# Altium PCB UHF Transceiver PCB.PcbDoc (part 3 of 5) (continued)
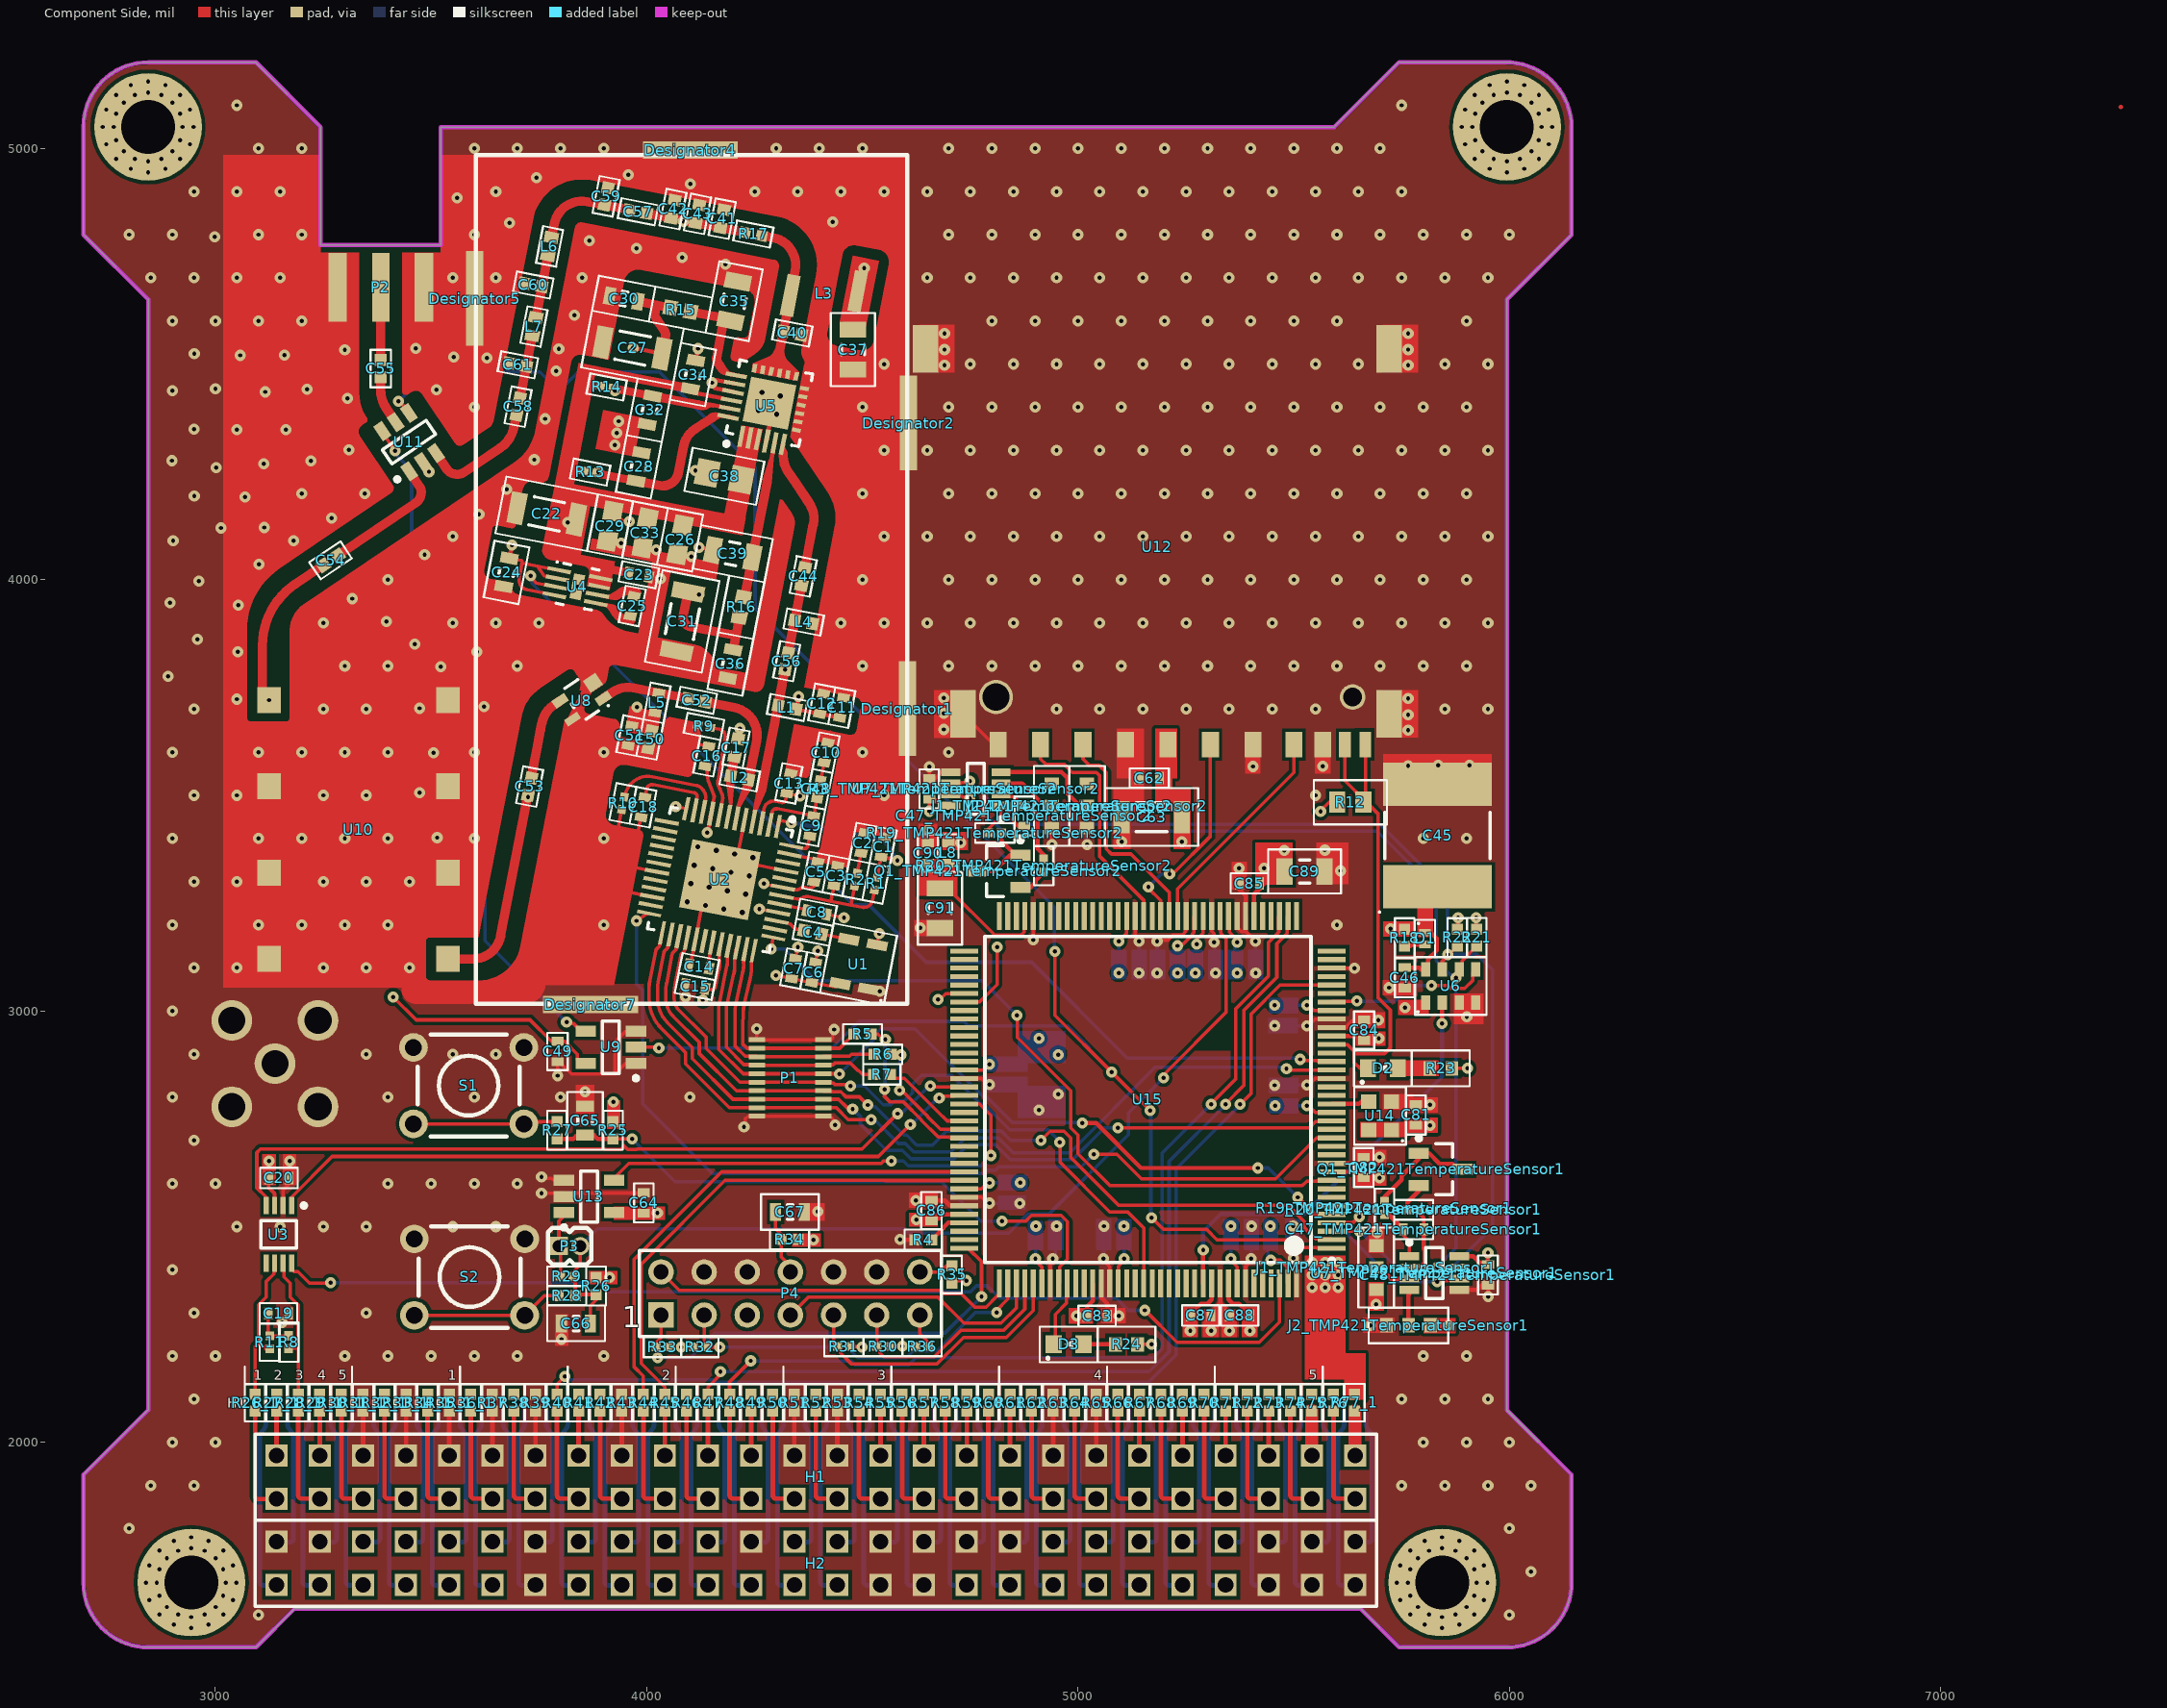
[diagram p0: Component Side view]
## Nets (pads, with @x,y where several pads share a name; then routed paths per layer and width w, separated by ;. In a path a pad name is that pad's centre, name@x,y a point inside that pad or via, vN(x,y) a via of type N, cw(c..) or ccw(c..) an arc to the next point about the centre after c; other vN are vias at no path point) (continued)
  other v1: 3100,1600 6000,1600 6050,1700 2800,1800 6000,1800 2850,1900 2950,1900 5750,1900 5850,1900 5950,1900 6050,1900 2900,2000 3000,2000 5800,2000 5900,2000 6000,2000 2950,2100 5750,2100 5850,2100 5950,2100 2900,2200 3000,2200 3300,2200 3400,2200 3500,2200 3600,2200 3700,2200 3900,2200 5800,2200 5900,2200 2950,2300 3350,2300 2900,2400 3050,2500 3150,2500 3250,2500 3350,2500 3550,2500 3650,2500 4950,2501 2900,2600 3000,2600 3400,2600 3500,2600 3600,2600 3700,2600 3172.09,2651.74 2950,2700 4225.28,2731.01 2900,2800 3400,2800 3600,2800 3800,2800 4100,2800 2950,2900 3350,2900 3550,2900 3650,2900 5901,2987 2900,3000 5141.3,3088 5183.05,3088 5318.3,3088 2950,3100 3050,3100 3250,3100 3350,3100 3450,3100 2900,3200 3100,3200 3200,3200 3300,3200 3400,3200 3900,3200 5600,3200 2950,3300 3050,3300 3250,3300 3350,3300 3450,3300 5373.19,3331 2900,3400 3100,3400 3200,3400 3300,3400 3400,3400 3600,3400 3900,3400 5800,3400 5900,3400 3514,3402 2950,3500 3050,3500 3250,3500 3350,3500 4550,3500 5550,3500 3473,3506.13 5567.4,3567.29 5765,3569 5834.54,3570.1 5907,3570.1 3506,3599 2900,3600 3100,3600 3200,3600 3300,3600 3400,3600 3600,3600 3900,3600 4500,3600 4700,3600 5765,3651 4688.81,3652.79 5765,3687 4688.81,3690.09 2950,3700 3250,3700 3350,3700 4950,3700 5050,3700 5150,3700 5250,3700 5350,3700 5450,3700 5550,3700 5850,3700 5950,3700 3473,3701.87 3622.74,3706 3050,3723 5765,3724.3 4688.81,3726.09 2890,3776 3522,3798 3300,3800 3400,3800 3700,3800 4500,3800 4700,3800 4800,3800 4900,3800 5000,3800 5100,3800 5200,3800 5300,3800 5400,3800 5500,3800 5600,3800 5700,3800 5800,3800 5900,3800 3052,3833 3606,3833 3462,3851 2958,3862 3250,3900 3550,3900 3650,3900 3750,3900 4450,3900 4550,3900 4650,3900 4750,3900 4850,3900 4950,3900 5050,3900 5150,3900 5250,3900 5350,3900 5450,3900 5550,3900 5650,3900 5750,3900 5850,3900 5950,3900 3396,3903 3053,3941.2 2895,3947 3317,3956 3839.4,3983.83 2962,3997 3400,4000 4500,4000 4700,4000 4800,4000 4900,4000 5000,4000 5100,4000 5200,4000 5300,4000 5400,4000 5500,4000 5600,4000 5700,4000 5800,4000 5900,4000 4032,4002 3101,4035.97 3485,4058 2902,4090.39 3181.02,4090.39 3550,4100 4550,4100 4650,4100 4750,4100 4850,4100 4950,4100 5050,4100 5150,4100 5250,4100 5350,4100 5450,4100 5550,4100 5650,4100 5750,4100 5850,4100 5950,4100 3013,4119.95 3113,4121 3269,4143 3611,4152 3069,4192 2951,4194 3200,4200 3346,4200 4500,4200 4700,4200 4800,4200 4900,4200 5000,4200 5100,4200 5200,4200 5300,4200 5400,4200 5500,4200 5600,4200 5700,4200 5800,4200 5900,4200 3675,4210 3002,4260 3112,4269 3221,4275 2899,4276 3739.15,4278.25 4550,4300 4650,4300 4750,4300 4850,4300 4950,4300 5050,4300 5150,4300 5250,4300 5350,4300 5450,4300 5550,4300 5650,4300 5750,4300 5850,4300 5950,4300 3309,4301 3925.72,4312 3930.28,4340 3050,4348 3163.71,4348.24 2950,4349 3935,4367.38 3764,4373.09 3600,4400 4500,4400 4700,4400 4800,4400 4900,4400 5000,4400 5100,4400 5200,4400 5300,4400 5400,4400 5500,4400 5600,4400 5700,4400 5800,4400 5900,4400 3306,4420 3115,4435.46 2900.55,4438.35 3512,4440 3212,4442 3000,4443 3790,4484 4690.2,4497.46 5765,4497.46 4550,4500 4750,4500 4850,4500 4950,4500 5050,4500 5150,4500 5250,4500 5350,4500 5450,4500 5550,4500 5650,4500 5850,4500 5950,4500 3629,4514.34 3552,4516 3057,4520.18 3160,4521 2951,4523.93 3300,4533 4690.2,4533.46 5765,4533.46 3796,4535.46 3463.96,4536 4690.2,4570.75 5765,4570.75 2900,4600 3000,4600 3100,4600 3200,4600 4800,4600 4900,4600 5000,4600 5100,4600 5200,4600 5300,4600 5400,4600 5500,4600 5600,4600 5900,4600 3832,4613 2850,4700 2950,4700 3050,4700 3150,4700 3550,4700 3650,4700 3850,4700 4650,4700 4750,4700 4850,4700 4950,4700 5050,4700 5150,4700 5250,4700 5350,4700 5450,4700 5550,4700 5650,4700 5750,4700 5850,4700 5950,4700 4182,4731 4082,4747 3975.88,4768 3866.68,4786 2998,4795 2800,4800 2900,4800 3100,4800 3200,4800 3600,4800 4700,4800 4800,4800 4900,4800 5000,4800 5100,4800 5200,4800 5300,4800 5400,4800 5500,4800 5600,4800 5700,4800 5800,4800 5900,4800 6000,4800 3682,4827 4431,4829.14 3560,4885 2950,4900 3050,4900 3150,4900 3650,4900 4250,4900 4350,4900 4450,4900 4550,4900 4650,4900 4750,4900 4850,4900 4950,4900 5050,4900 5150,4900 5250,4900 5350,4900 5450,4900 5550,4900 5650,4900 5750,4900 4101,4918 3744,4932 3957,4938.45 3100,5000 3200,5000 3600,5000 3700,5000 3800,5000 3900,5000 4300,5000 4400,5000 4500,5000 4700,5000 4800,5000 4900,5000 5000,5000 5100,5000 5200,5000 5300,5000 5400,5000 5500,5000 5600,5000 5700,5000 3050,5100 5750,5100
  other v3: 4221.15,3228.24 4178.64,3236.5 4229.42,3270.75 4186.91,3279.02 4144.4,3287.28 4237.68,3313.26 4195.17,3321.53 4152.66,3329.79 4110.15,3338.05 4160.92,3372.3 4118.41,3380.56 4301.19,4383.69 4258.68,4391.96 4309.46,4426.21 4266.95,4434.47
GPIO0: H1.4 R29_1.1 R29_1.2 | length 103.9
  Component Side w10.8: H1.4@3241.92,1969.38 R29_1.1@3241.92,2073.27
GPIO1: H1.16 R41.1 R41.2 | length 103.9
  Component Side w10.8: H1.16@3841.92,1969.38 R41.1@3841.92,2073.27
GPIO2: H1.24 R49.1 R49.2 | length 103.9
  Component Side w10.8: H1.24@4241.92,1969.38 R49.1@4241.92,2073.27
GPIO3: H1.32 R57.1 R57.2 | length 103.9
  Component Side w10.8: H1.32@4641.92,1969.38 R57.1@4641.92,2073.27
GPIO4: H1.34 R59.1 R59.2 | length 103.9
  Component Side w10.8: H1.34@4741.92,1969.38 R59.1@4741.92,2073.27
GPIO5: H2.5 R82.1 R82.2 | length 476.4
  Solder Side w10.8: R82.2@3316.92,2072.07 3316.92,2043.9 ; H2.5@3343.92,1668.44 3311.06,1668.44 ; 3302.89,1676.62 ccw(c3311.06,1676.62) 3311.06,1668.44 ; 3302.89,1676.62 ccw(c3311.06,1676.62) 3311.06,1668.44 ; 3302.89,1676.62 3302.89,2010.23 cw(c3326.59,2010.23) 3309.83,2026.99 3309.97,2027.13 ; 3309.97,2027.13 ccw(c3293.21,2043.9) 3316.92,2043.9 ; 3309.97,2027.13 ccw(c3293.21,2043.9) 3316.92,2043.9
GPIO6: H2.6 R83.1 R83.2 | length 374.4
  Solder Side w10.8: H2.6@3341.92,1768.44 3372.77,1768.44 ; R83.1@3366.92,2072.07 3366.92,2043.9 ccw(c3390.62,2043.9) 3373.86,2027.13 3374,2026.99 ; 3372.77,1768.44 ccw(c3372.77,1776.62) 3380.95,1776.62 ; 3372.77,1768.44 ccw(c3372.77,1776.62) 3380.95,1776.62 ; 3374,2026.99 cw(c3357.24,2010.23) 3380.95,2010.23 ; 3374,2026.99 cw(c3357.24,2010.23) 3380.95,2010.23 ; 3380.95,1776.62 3380.95,2010.23
GPIO7: H2.7 R84.1 R84.2 | length 495
  Solder Side w10.8: R84.2@3416.92,2072.07 3416.92,2043.9 ; H2.7@3443.92,1668.44 3411.06,1668.44 ; 3402.89,1676.62 ccw(c3411.06,1676.62) 3411.06,1668.44 ; 3402.89,1676.62 ccw(c3411.06,1676.62) 3411.06,1668.44 ; 3402.89,1676.62 3402.89,2010.23 ; 3402.89,2010.23 cw(c3426.59,2010.23) 3409.83,2026.99 ; 3402.89,2010.23 cw(c3426.59,2010.23) 3409.83,2026.99 ; 3409.83,2026.99 3409.97,2027.13 ; 3409.97,2027.13 ccw(c3393.21,2043.9) 3416.92,2043.9 ; 3409.97,2027.13 ccw(c3393.21,2043.9) 3416.92,2043.9
GPIO8: H2.8 R85.1 R85.2 | length 374.4
  Solder Side w10.8: H2.8@3441.92,1768.44 3472.77,1768.44 ; R85.1@3466.92,2072.07 3466.92,2043.9 ccw(c3490.62,2043.9) 3473.86,2027.13 3474,2026.99 ; 3472.77,1768.44 ccw(c3472.77,1776.62) 3480.95,1776.62 ; 3472.77,1768.44 ccw(c3472.77,1776.62) 3480.95,1776.62 ; 3474,2026.99 cw(c3457.24,2010.23) 3480.95,2010.23 ; 3474,2026.99 cw(c3457.24,2010.23) 3480.95,2010.23 ; 3480.95,1776.62 3480.95,2010.23
GPIO9: H2.9 R86.1 R86.2 | length 495
  Solder Side w10.8: R86.2@3516.92,2072.07 3516.92,2043.9 ; H2.9@3543.92,1668.44 3511.06,1668.44 ; 3502.89,1676.62 ccw(c3511.06,1676.62) 3511.06,1668.44 ; 3502.89,1676.62 ccw(c3511.06,1676.62) 3511.06,1668.44 ; 3502.89,1676.62 3502.89,2010.23 ; 3502.89,2010.23 cw(c3526.59,2010.23) 3509.83,2026.99 ; 3502.89,2010.23 cw(c3526.59,2010.23) 3509.83,2026.99 ; 3509.83,2026.99 3509.97,2027.13 ; 3509.97,2027.13 ccw(c3493.21,2043.9) 3516.92,2043.9 ; 3509.97,2027.13 ccw(c3493.21,2043.9) 3516.92,2043.9
GPIO10: H2.10 R87.1 R87.2 | length 374.4
  Solder Side w10.8: H2.10@3541.92,1768.44 3572.77,1768.44 ; R87.1@3566.92,2072.07 3566.92,2043.9 ccw(c3590.62,2043.9) 3573.86,2027.13 3574,2026.99 ; 3572.77,1768.44 ccw(c3572.77,1776.62) 3580.95,1776.62 ; 3572.77,1768.44 ccw(c3572.77,1776.62) 3580.95,1776.62 ; 3574,2026.99 cw(c3557.24,2010.23) 3580.95,2010.23 ; 3574,2026.99 cw(c3557.24,2010.23) 3580.95,2010.23 ; 3580.95,1776.62 3580.95,2010.23
GPIO11: H2.11 R88.1 R88.2 | length 495
  Solder Side w10.8: R88.2@3616.92,2072.07 3616.92,2043.9 ; H2.11@3643.92,1668.44 3611.06,1668.44 ; 3602.89,1676.62 ccw(c3611.06,1676.62) 3611.06,1668.44 ; 3602.89,1676.62 ccw(c3611.06,1676.62) 3611.06,1668.44 ; 3602.89,1676.62 3602.89,2010.23 ; 3602.89,2010.23 cw(c3626.59,2010.23) 3609.83,2026.99 ; 3602.89,2010.23 cw(c3626.59,2010.23) 3609.83,2026.99 ; 3609.83,2026.99 3609.97,2027.13 ; 3609.97,2027.13 ccw(c3593.21,2043.9) 3616.92,2043.9 ; 3609.97,2027.13 ccw(c3593.21,2043.9) 3616.92,2043.9
GPIO12: H2.12 R89.1 R89.2 | length 374.4
  Solder Side w10.8: H2.12@3641.92,1768.44 3672.77,1768.44 ; R89.1@3666.92,2072.07 3666.92,2043.9 ccw(c3690.62,2043.9) 3673.86,2027.13 3674,2026.99 ; 3672.77,1768.44 ccw(c3672.77,1776.62) 3680.95,1776.62 ; 3672.77,1768.44 ccw(c3672.77,1776.62) 3680.95,1776.62 ; 3674,2026.99 cw(c3657.24,2010.23) 3680.95,2010.23 ; 3674,2026.99 cw(c3657.24,2010.23) 3680.95,2010.23 ; 3680.95,1776.62 3680.95,2010.23
GPIO13: H2.15 R92.1 R92.2 | length 476.4
  Solder Side w10.8: R92.2@3816.92,2072.07 3816.92,2043.9 ; H2.15@3843.92,1668.44 3811.06,1668.44 ; 3802.89,1676.62 ccw(c3811.06,1676.62) 3811.06,1668.44 ; 3802.89,1676.62 ccw(c3811.06,1676.62) 3811.06,1668.44 ; 3802.89,1676.62 3802.89,2010.23 cw(c3826.59,2010.23) 3809.83,2026.99 3809.97,2027.13 ; 3809.97,2027.13 ccw(c3793.21,2043.9) 3816.92,2043.9 ; 3809.97,2027.13 ccw(c3793.21,2043.9) 3816.92,2043.9
GPIO14: H2.16 R93.1 R93.2 | length 374.4
  Solder Side w10.8: H2.16@3841.92,1768.44 3872.77,1768.44 ; R93.1@3866.92,2072.07 3866.92,2043.9 ccw(c3890.62,2043.9) 3873.86,2027.13 3874,2026.99 ; 3872.77,1768.44 ccw(c3872.77,1776.62) 3880.95,1776.62 ; 3872.77,1768.44 ccw(c3872.77,1776.62) 3880.95,1776.62 ; 3874,2026.99 cw(c3857.24,2010.23) 3880.95,2010.23 ; 3874,2026.99 cw(c3857.24,2010.23) 3880.95,2010.23 ; 3880.95,1776.62 3880.95,2010.23
GPIO15: H2.17 R94.1 R94.2 | length 495
  Solder Side w10.8: R94.2@3916.92,2072.07 3916.92,2043.9 ; H2.17@3943.92,1668.44 3911.06,1668.44 ; 3902.89,1676.62 ccw(c3911.06,1676.62) 3911.06,1668.44 ; 3902.89,1676.62 ccw(c3911.06,1676.62) 3911.06,1668.44 ; 3902.89,1676.62 3902.89,2010.23 ; 3902.89,2010.23 cw(c3926.59,2010.23) 3909.83,2026.99 ; 3902.89,2010.23 cw(c3926.59,2010.23) 3909.83,2026.99 ; 3909.83,2026.99 3909.97,2027.13 ; 3909.97,2027.13 ccw(c3893.21,2043.9) 3916.92,2043.9 ; 3909.97,2027.13 ccw(c3893.21,2043.9) 3916.92,2043.9
GPIO16: H2.18 R95.1 R95.2 | length 374.4
  Solder Side w10.8: H2.18@3941.92,1768.44 3972.77,1768.44 ; R95.1@3966.92,2072.07 3966.92,2043.9 ccw(c3990.62,2043.9) 3973.86,2027.13 3974,2026.99 ; 3972.77,1768.44 ccw(c3972.77,1776.62) 3980.95,1776.62 ; 3972.77,1768.44 ccw(c3972.77,1776.62) 3980.95,1776.62 ; 3974,2026.99 cw(c3957.24,2010.23) 3980.95,2010.23 ; 3974,2026.99 cw(c3957.24,2010.23) 3980.95,2010.23 ; 3980.95,1776.62 3980.95,2010.23
GPIO17: H2.19 R96.1 R96.2 | length 495
  Solder Side w10.8: R96.2@4016.92,2072.07 4016.92,2043.9 ; H2.19@4043.92,1668.44 4011.06,1668.44 ; 4002.89,1676.62 ccw(c4011.06,1676.62) 4011.06,1668.44 ; 4002.89,1676.62 ccw(c4011.06,1676.62) 4011.06,1668.44 ; 4002.89,1676.62 4002.89,2010.23 ; 4002.89,2010.23 cw(c4026.59,2010.23) 4009.83,2026.99 ; 4002.89,2010.23 cw(c4026.59,2010.23) 4009.83,2026.99 ; 4009.83,2026.99 4009.97,2027.13 ; 4009.97,2027.13 ccw(c3993.21,2043.9) 4016.92,2043.9 ; 4009.97,2027.13 ccw(c3993.21,2043.9) 4016.92,2043.9
GPIO18: H2.20 R97.1 R97.2 | length 374.4
  Solder Side w10.8: H2.20@4041.92,1768.44 4072.77,1768.44 ; R97.1@4066.92,2072.07 4066.92,2043.9 ccw(c4090.62,2043.9) 4073.86,2027.13 4074,2026.99 ; 4072.77,1768.44 ccw(c4072.77,1776.62) 4080.95,1776.62 ; 4072.77,1768.44 ccw(c4072.77,1776.62) 4080.95,1776.62 ; 4074,2026.99 cw(c4057.24,2010.23) 4080.95,2010.23 ; 4074,2026.99 cw(c4057.24,2010.23) 4080.95,2010.23 ; 4080.95,1776.62 4080.95,2010.23
GPIO19: H2.21 R98.1 R98.2 | length 495
  Solder Side w10.8: R98.2@4116.92,2072.07 4116.92,2043.9 ; H2.21@4143.92,1668.44 4111.06,1668.44 ; 4102.89,1676.62 ccw(c4111.06,1676.62) 4111.06,1668.44 ; 4102.89,1676.62 ccw(c4111.06,1676.62) 4111.06,1668.44 ; 4102.89,1676.62 4102.89,2010.23 ; 4102.89,2010.23 cw(c4126.59,2010.23) 4109.83,2026.99 ; 4102.89,2010.23 cw(c4126.59,2010.23) 4109.83,2026.99 ; 4109.83,2026.99 4109.97,2027.13 ; 4109.97,2027.13 ccw(c4093.21,2043.9) 4116.92,2043.9 ; 4109.97,2027.13 ccw(c4093.21,2043.9) 4116.92,2043.9
GPIO20: H2.22 R99.1 R99.2 | length 374.4
  Solder Side w10.8: H2.22@4141.92,1768.44 4172.77,1768.44 ; R99.1@4166.92,2072.07 4166.92,2043.9 ccw(c4190.62,2043.9) 4173.86,2027.13 4174,2026.99 ; 4172.77,1768.44 ccw(c4172.77,1776.62) 4180.95,1776.62 ; 4172.77,1768.44 ccw(c4172.77,1776.62) 4180.95,1776.62 ; 4174,2026.99 cw(c4157.24,2010.23) 4180.95,2010.23 ; 4174,2026.99 cw(c4157.24,2010.23) 4180.95,2010.23 ; 4180.95,1776.62 4180.95,2010.23
GPIO21: H2.37 R114.1 R114.2 | length 476.4
  Solder Side w10.8: R114.2@4916.92,2072.07 4916.92,2043.9 ; H2.37@4943.92,1668.44 4911.06,1668.44 ; 4902.89,1676.62 ccw(c4911.06,1676.62) 4911.06,1668.44 ; 4902.89,1676.62 ccw(c4911.06,1676.62) 4911.06,1668.44 ; 4902.89,1676.62 4902.89,2010.23 cw(c4926.59,2010.23) 4909.83,2026.99 4909.97,2027.13 ; 4909.97,2027.13 ccw(c4893.21,2043.9) 4916.92,2043.9 ; 4909.97,2027.13 ccw(c4893.21,2043.9) 4916.92,2043.9
GPIO22: H2.38 R115.1 R115.2 | length 374.4
  Solder Side w10.8: H2.38@4941.92,1768.44 4972.77,1768.44 ; R115.1@4966.92,2072.07 4966.92,2043.9 ccw(c4990.62,2043.9) 4973.86,2027.13 4974,2026.99 ; 4972.77,1768.44 ccw(c4972.77,1776.62) 4980.95,1776.62 ; 4972.77,1768.44 ccw(c4972.77,1776.62) 4980.95,1776.62 ; 4974,2026.99 cw(c4957.24,2010.23) 4980.95,2010.23 ; 4974,2026.99 cw(c4957.24,2010.23) 4980.95,2010.23 ; 4980.95,1776.62 4980.95,2010.23
GPIO23: H2.39 R116.1 R116.2 | length 495
  Solder Side w10.8: R116.2@5016.92,2072.07 5016.92,2043.9 ; H2.39@5043.92,1668.44 5011.06,1668.44 ; 5002.89,1676.62 ccw(c5011.06,1676.62) 5011.06,1668.44 ; 5002.89,1676.62 ccw(c5011.06,1676.62) 5011.06,1668.44 ; 5002.89,1676.62 5002.89,2010.23 ; 5002.89,2010.23 cw(c5026.59,2010.23) 5009.83,2026.99 ; 5002.89,2010.23 cw(c5026.59,2010.23) 5009.83,2026.99 ; 5009.83,2026.99 5009.97,2027.13 ; 5009.97,2027.13 ccw(c4993.21,2043.9) 5016.92,2043.9 ; 5009.97,2027.13 ccw(c4993.21,2043.9) 5016.92,2043.9
GPIO24: H2.40 R117.1 R117.2 | length 374.4
  Solder Side w10.8: H2.40@5041.92,1768.44 5072.77,1768.44 ; R117.1@5066.92,2072.07 5066.92,2043.9 ccw(c5090.62,2043.9) 5073.86,2027.13 5074,2026.99 ; 5072.77,1768.44 ccw(c5072.77,1776.62) 5080.95,1776.62 ; 5072.77,1768.44 ccw(c5072.77,1776.62) 5080.95,1776.62 ; 5074,2026.99 cw(c5057.24,2010.23) 5080.95,2010.23 ; 5074,2026.99 cw(c5057.24,2010.23) 5080.95,2010.23 ; 5080.95,1776.62 5080.95,2010.23
GPIO25: H2.41 R118.1 R118.2 | length 495
  Solder Side w10.8: R118.2@5116.92,2072.07 5116.92,2043.9 ; H2.41@5143.92,1668.44 5111.06,1668.44 ; 5102.89,1676.62 ccw(c5111.06,1676.62) 5111.06,1668.44 ; 5102.89,1676.62 ccw(c5111.06,1676.62) 5111.06,1668.44 ; 5102.89,1676.62 5102.89,2010.23 ; 5102.89,2010.23 cw(c5126.59,2010.23) 5109.83,2026.99 ; 5102.89,2010.23 cw(c5126.59,2010.23) 5109.83,2026.99 ; 5109.83,2026.99 5109.97,2027.13 ; 5109.97,2027.13 ccw(c5093.21,2043.9) 5116.92,2043.9 ; 5109.97,2027.13 ccw(c5093.21,2043.9) 5116.92,2043.9
GPIO26: H2.42 R119.1 R119.2 | length 374.4
  Solder Side w10.8: H2.42@5141.92,1768.44 5172.77,1768.44 ; R119.1@5166.92,2072.07 5166.92,2043.9 ccw(c5190.62,2043.9) 5173.86,2027.13 5174,2026.99 ; 5172.77,1768.44 ccw(c5172.77,1776.62) 5180.95,1776.62 ; 5172.77,1768.44 ccw(c5172.77,1776.62) 5180.95,1776.62 ; 5174,2026.99 cw(c5157.24,2010.23) 5180.95,2010.23 ; 5174,2026.99 cw(c5157.24,2010.23) 5180.95,2010.23 ; 5180.95,1776.62 5180.95,2010.23
GPIO27: H2.43 R120.1 R120.2 | length 495
  Solder Side w10.8: R120.2@5216.92,2072.07 5216.92,2043.9 ; H2.43@5243.92,1668.44 5211.06,1668.44 ; 5202.89,1676.62 ccw(c5211.06,1676.62) 5211.06,1668.44 ; 5202.89,1676.62 ccw(c5211.06,1676.62) 5211.06,1668.44 ; 5202.89,1676.62 5202.89,2010.23 ; 5202.89,2010.23 cw(c5226.59,2010.23) 5209.83,2026.99 ; 5202.89,2010.23 cw(c5226.59,2010.23) 5209.83,2026.99 ; 5209.83,2026.99 5209.97,2027.13 ; 5209.97,2027.13 ccw(c5193.21,2043.9) 5216.92,2043.9 ; 5209.97,2027.13 ccw(c5193.21,2043.9) 5216.92,2043.9
GPIO28: H2.44 R121.1 R121.2 | length 374.4
  Solder Side w10.8: H2.44@5241.92,1768.44 5272.77,1768.44 ; R121.1@5266.92,2072.07 5266.92,2043.9 ccw(c5290.62,2043.9) 5273.86,2027.13 5274,2026.99 ; 5272.77,1768.44 ccw(c5272.77,1776.62) 5280.95,1776.62 ; 5272.77,1768.44 ccw(c5272.77,1776.62) 5280.95,1776.62 ; 5274,2026.99 cw(c5257.24,2010.23) 5280.95,2010.23 ; 5274,2026.99 cw(c5257.24,2010.23) 5280.95,2010.23 ; 5280.95,1776.62 5280.95,2010.23
GPS_PPS: H1.2 R27_1.1 R27_1.2 | length 103.9
  Component Side w10.8: H1.2@3141.92,1969.38 R27_1.1@3141.92,2073.27
I2C1_SCL: H1.43 R68.1 R68.2 | length 263
  Component Side w10.8: R68.2@5191.92,2073 5191.92,1877.55 ; H1.43@5241.92,1869.38 5200.09,1869.38 ; 5191.92,1877.55 ccw(c5200.09,1877.55) 5200.09,1869.38 ; 5191.92,1877.55 ccw(c5200.09,1877.55) 5200.09,1869.38
I2C1_SDA: H1.41 R66.1 R66.2 | length 263
  Component Side w10.8: R66.2@5091.92,2073 5091.92,1877.55 ; H1.41@5141.92,1869.38 5100.09,1869.38 ; 5091.92,1877.55 ccw(c5100.09,1877.55) 5100.09,1869.38 ; 5091.92,1877.55 ccw(c5100.09,1877.55) 5100.09,1869.38
I2C2_SDA: H1.45 R70.1 R70.2 | length 263
  Component Side w10.8: R70.2@5291.92,2073 5291.92,1877.55 ; H1.45@5341.92,1869.38 5300.09,1869.38 ; 5291.92,1877.55 ccw(c5300.09,1877.55) 5300.09,1869.38 ; 5291.92,1877.55 ccw(c5300.09,1877.55) 5300.09,1869.38
N2HET1_0: D2.2 R12.1 U12.10 U12.11 U15.25 | length 1091.6
  Component Side w8: U15.25@5587.99,2922.33 5623.6,2922.33 5639.37,2906.56 ; U12.10@5618.64,3617.68 5618.64,3534 R12.1@5665.88,3486.76 ; U12.11@5665.88,3617.68 R12.1@5665.88,3486.76 ; D2.2@5672,2867 5653.3,2867 5639.37,2880.93 5639.37,2906.56 ; 5639.37,2906.56 5644.7,2901.23 5710.23,2901.23 5723.8,2914.79 5723.8,3002.48 5694.84,3031.44 5694.84,3457.8 R12.1@5665.88,3486.76
N2HET1_1: U4.3 U15.23 | length 2393.7
  Component Side w8: v1@3735,4004 3742.69,3992.6 U4.3@3789.4,3983.52 ; v1(5515,2888) 5518.2,2884.8 5553.66,2884.8 5555.51,2882.96 U15.23@5587.99,2882.96
  Solder Side w8: v1(3730.51,4009) 3733.93,4005.59 3733.93,3991.07 4479,3246 4515,3246 4647.92,3113.08 4891.92,3113.08 5114.08,2890.92 5512.08,2890.92 v1(5515,2888)
N2HET1_2: U6.5 U15.30 | length 382.5
  Component Side w8: U15.30@5587.99,3020.76 5589.11,3021.88 5644.89,3021.88 v1(5646.01,3023) ; v1(5819,3058.73) 5856.71,3058.73 5863.37,3052.08 5896.25,3052.08 5915,3070.83 5915,3089.56 U6.5@5921.83,3096.39
  Solder Side w8: v1(5646.01,3023) 5647.01,3022 5733.72,3022 5770.45,3058.73 v1(5819,3058.73)
N2HET1_3: U15.24
N2HET1_4: U15.36
N2HET1_5: U15.31
N2HET1_6: H1.22 R47.1 R47.2 U15.38 | length 2352.4
  Component Side w8: R47.2@4141.92,2111.44 4141.92,2128.24 4170.68,2156.99 v1(4170.68,2164) ; v1(5341.84,2783.72) 5341.84,2785.12 5384.69,2827.97 5384.69,3002.06 5460.69,3078.06 5460.69,3156.09 5484.77,3180.17 5484.77,3218.72 U15.38@5486.61,3220.56
  Component Side w10.8: H1.22@4141.92,1969.38 R47.1@4141.92,2072.07 R47.1@4141.92,2073.27
  Solder Side w8: v1(4170.68,2164) 5164.87,2164 5210.92,2210.05 5210.92,2651.4 5341.84,2782.32 v1(5341.84,2783.72)
N2HET1_7: U15.33
N2HET1_8: U15.106
N2HET1_9: U15.35
N2HET1_10: U15.118
N2HET1_11: U15.6
N2HET1_12: U15.124
N2HET1_13: H1.23 R48.1 R48.2 U15.39 | length 2450.2
  Component Side w8: R48.1@4191.92,2111.44 4191.92,2139.92 v1(4241,2189) ; v1(5308,2783.72) 5308,2785.12 5365,2842.12 5365,3005 5441,3081 5441,3159.03 5465.08,3183.11 5465.08,3218.72 U15.39@5466.92,3220.56
  Component Side w10.8: R48.2@4191.92,2073 R48.2@4191.92,2072.07 4191.92,1877.55 ; H1.23@4241.92,1869.38 4200.09,1869.38 ; 4191.92,1877.55 ccw(c4200.09,1877.55) 4200.09,1869.38 ; 4191.92,1877.55 ccw(c4200.09,1877.55) 4200.09,1869.38
  Solder Side w8: v1(4241,2189) 4242.08,2187.92 4474.21,2187.92 4482.05,2180.08 4607.95,2180.08 4623.87,2196 5174.24,2196 5194.92,2216.68 5194.92,2670.64 v1(5308,2783.72)
N2HET1_14: U15.125
N2HET1_16: U15.139
N2HET1_17: U15.130
N2HET1_18: U15.140
N2HET1_19: U15.40
N2HET1_20: U15.141
N2HET1_22: U15.15
N2HET1_24: U13.4 U15.91 | length 1066.8
  Component Side w8: U13.4@3927.07,2615.4 3958.44,2646.77 4543.4,2646.77 4548.63,2652 v1(4567,2652) ; U15.91@4735.62,2784.54 4771.23,2784.54 4798,2757.77 v1(4798,2665)
  Solder Side w8: v1(4567,2652) 4594.87,2652 4605.8,2641.08 4774.08,2641.08 v1(4798,2665)
N2HET1_25: U15.37
N2HET1_26: U15.92
N2HET1_27: R22.2 U6.7 U7_TMP421TemperatureSensor1.6 U7_TMP421TemperatureSensor2.6 U15.4 | length 2815.1
  Component Side w8: U7_TMP421TemperatureSensor2.6@4690.93,3527.72 U7_TMP421TemperatureSensor2.6@4704.93,3527.72 ; U7_TMP421TemperatureSensor2.6@4704.93,3528 4726.93,3528 4728.51,3529.59 4745.59,3529.59 v1(4749,3533) ; U15.4@5587.99,2508.95 5636.7,2508.95 5650.76,2523 v1(5652,2523) ; v1(5832,2372) 5835.06,2375.06 5856.92,2375.06 5861.24,2379.38 U7_TMP421TemperatureSensor1.6@5883.88,2379.38 ; U6.7@5844.07,3096.39 5844.07,3115.29 R22.2@5879.18,3150.4
  Solder Side w8: v1(4749,3533) 4849,3433 5700,3433 5855,3278 5853,3276 5856.08,3272.92 5856.08,3131.92 v1(5857,3131) 5925,3131 5961,3095 5961,2499.76 5833.24,2372 v1(5832,2372) 5733.76,2372 5627.08,2478.68 5627.08,2499.32 5650.76,2523 v1(5652,2523)
N2HET1_28: U15.107
N2HET1_29: R21.2 U6.6 U7_TMP421TemperatureSensor1.7 U7_TMP421TemperatureSensor2.7 U15.3 | length 2560.2
  Component Side w8: U7_TMP421TemperatureSensor2.7@4690.93,3501.72 U7_TMP421TemperatureSensor2.7@4713.57,3501.72 ; U7_TMP421TemperatureSensor2.7@4704.93,3502 4726.93,3502 4732.52,3496.41 4745.59,3496.41 v1(4749,3493) ; U15.3@5587.99,2489.26 5651.74,2489.26 v1(5652,2489) ; v1(5832,2406) 5832.62,2405.38 U7_TMP421TemperatureSensor1.7@5883.88,2405.38 ; U6.6@5883.44,3096.39 5883.44,3108.43 5889.58,3108.43 5890.27,3109.12 5890.27,3116.67 R21.2@5924.18,3150.59
  Solder Side w8: v1(4749,3493) 4825,3417 5693.37,3417 5830.08,3280.29 5830.08,3116.68 5869.76,3077 v1(5876,3077) 5876,3015.24 5876.08,3015.17 5876.08,2450.08 v1(5832,2406) 5737.76,2406 5654.76,2489 v1(5652,2489)
N2HET1_30: U15.127
N2HET1_31: U15.54
nERROR: D3.2 U15.117 | length 154.1
  Component Side w8: D3.2@4943.55,2227 4947,2230.45 4947,2296.62 4972.96,2322.57 4972.96,2333.88 4974.8,2335.72 U15.117@4974.8,2368.2
NetC1_1: C1.1 R1.2 U2.1 | length 405.7
  Component Side w8: U2.1@4306.97,3442.74 4307.43,3442.64 v1@4334.84,3436.42 ; R1.2@4533.99,3310.03 C1.1@4543.2,3357.37
  Component Side w10: U2.1@4304.05,3427.72 4306.97,3442.74 U2.1@4307.06,3442.81 ; C1.1@4543.2,3357.37 4579.97,3350.22 v5(4580.91,3348.83)
  Solder Side w10: v1@4335.56,3437.27 4335.75,3437.23 4549.27,3395.73 v5(4580.91,3348.83)
  other v1: 4580.91,3348.83 4335.56,3436.27
NetC2_1: C2.1 R2.2 | length 48.2
  Component Side w8: R2.2@4487.62,3319.04 C2.1@4496.82,3366.38
NetC3_1: C3.1 R1.1 R2.1 U2.42 | length 347.2
  Component Side w8: U2.42@4321.7,3264.85 4348.22,3259.69 ; C3.1@4433.92,3290.38 4426.96,3254.57 ; R2.1@4481.98,3290.06 4473.33,3245.56 ; R1.1@4528.36,3281.04 4523.81,3257.64 cw(c4502.71,3261.74) 4498.61,3240.65 4473.33,3245.56 ; 4348.22,3259.69 ccw(c4351.42,3276.16) 4360.79,3262.25 ; 4348.22,3259.69 ccw(c4351.42,3276.16) 4360.79,3262.25 ; 4360.79,3262.25 cw(c4370.51,3247.85) 4373.82,3264.9 ; 4360.79,3262.25 cw(c4370.51,3247.85) 4373.82,3264.9 ; 4373.82,3264.9 4426.96,3254.57 ; 4426.96,3254.57 4473.33,3245.56
NetC4_1: C4.1 U2.39 | length 82.3
  Component Side w8: U2.39@4300.61,3208.79 U2.39@4327.13,3203.63 ; C4.1@4363.95,3186.29 4348.92,3189.21 cw(c4352.24,3206.26) 4337.84,3196.55 ; U2.39@4327.13,3203.63 cw(c4323.93,3187.17) 4337.84,3196.55 ; U2.39@4327.13,3203.63 cw(c4323.93,3187.17) 4337.84,3196.55
NetC4_2: C4.2 U1.3 | length 80
  Component Side w8: C4.2@4405.69,3178.17 U1.3@4484.22,3162.91
NetC8_1: C8.1 U2.41 | length 68.6
  Component Side w8: U2.41@4308.12,3247.43 4363.32,3236.7 ccw(c4364.83,3244.43) C8.1@4372.56,3242.93
NetC9_1: C9.1 R3.2 U2.2 | length 181.6
  Component Side w8: U2.2@4284.72,3431.47 4290.49,3461.15 ; R3.2@4393.24,3484.91 4387.58,3452.39 4302.47,3468.93 ; 4290.49,3461.15 cw(c4299.93,3459.32) 4301.76,3468.76 ; 4290.49,3461.15 cw(c4299.93,3459.32) 4301.76,3468.76 ; 4301.77,3468.76 4302.47,3468.93 ; 4301.77,3468.76 4302.47,3468.93
NetC9_2: C9.2 U2.48 | length 77.8
  Component Side w8: U2.48@4334.42,3382.7 4364.58,3376.83 ; C9.2@4377.87,3405.84 4373.38,3382.77 ; 4364.58,3376.83 ccw(c4366.01,3384.2) 4373.38,3382.77 ; 4364.58,3376.83 ccw(c4366.01,3384.2) 4373.38,3382.77
NetC10_1: C10.1 R3.1 | length 43.3
  Component Side w8: R3.1@4402.66,3533.37 C10.1@4410.92,3575.88
NetC14_1: C14.1 U2.31 | length 62.7
  Component Side w8: C14.1@4140.93,3104.4 U2.31@4152.9,3165.99
NetC17_2: C17.2 L2.1 U2.7 | length 45.7
  Component Side w21.55: L2.1@4193.74,3540.13 C17.2@4202.46,3584.96
NetC18_1: C18.1 U2.11 | length 215.7
  Component Side w8: C18.1@3995.71,3495.66 3999.37,3514.46 ; U2.11@4110.81,3465.28 4116.68,3495.47 ; 3999.37,3514.46 cw(c4011.97,3512.01) 4014.42,3524.61 ; 3999.37,3514.46 cw(c4011.97,3512.01) 4014.42,3524.61 ; 4014.42,3524.61 4109.49,3506.13 ; 4109.49,3506.13 cw(c4107.75,3497.2) 4116.68,3495.47 ; 4109.49,3506.13 cw(c4107.75,3497.2) 4116.68,3495.47
NetC19_2: C19.2 R8.2 R11.1 | length 100.4
  Component Side w8: C19.2@3122.38,2299 3122.38,2256.97 3122,2256.59 3122,2245.76 R8.2@3169,2245.76
NetC25_2: C25.2 U4.6 | length 156.7
  Component Side w10.24: U4.6@3895.45,3962.91 U4.6@3908.85,3960.31 ; 3935.05,3973.25 3918.91,3962.36 ; 3941.81,3964.35 3936.1,3960.5 cw(c3925.8,3975.76) 3922.29,3957.69 U4.6@3908.92,3960.29 ; U4.6@3908.85,3960.31 ccw(c3911.4,3973.45) U4.6@3908.92,3960.29 ; U4.6@3908.85,3960.31 ccw(c3911.4,3973.45) U4.6@3908.91,3960.29 ; U4.6@3908.85,3960.31 U4.6@3908.92,3960.29 ; U4.6@3908.92,3960.29 ccw(c3911.4,3973.45) 3918.89,3962.35 ; U4.6@3908.92,3960.29 ccw(c3911.4,3973.45) 3918.89,3962.35 ; 3918.91,3962.36 cw(c3929.18,3947.09) 3932.69,3965.16 ccw(c3929.18,3947.09) 3918.91,3962.36
  Component Side w21.55: 3938.64,3969.04 cw(c3956.52,3942.54) 3962.62,3973.92 C25.2@3975.88,3971.34